# Altium PCB IPG.PcbDoc (part 2 of 10) (continued)
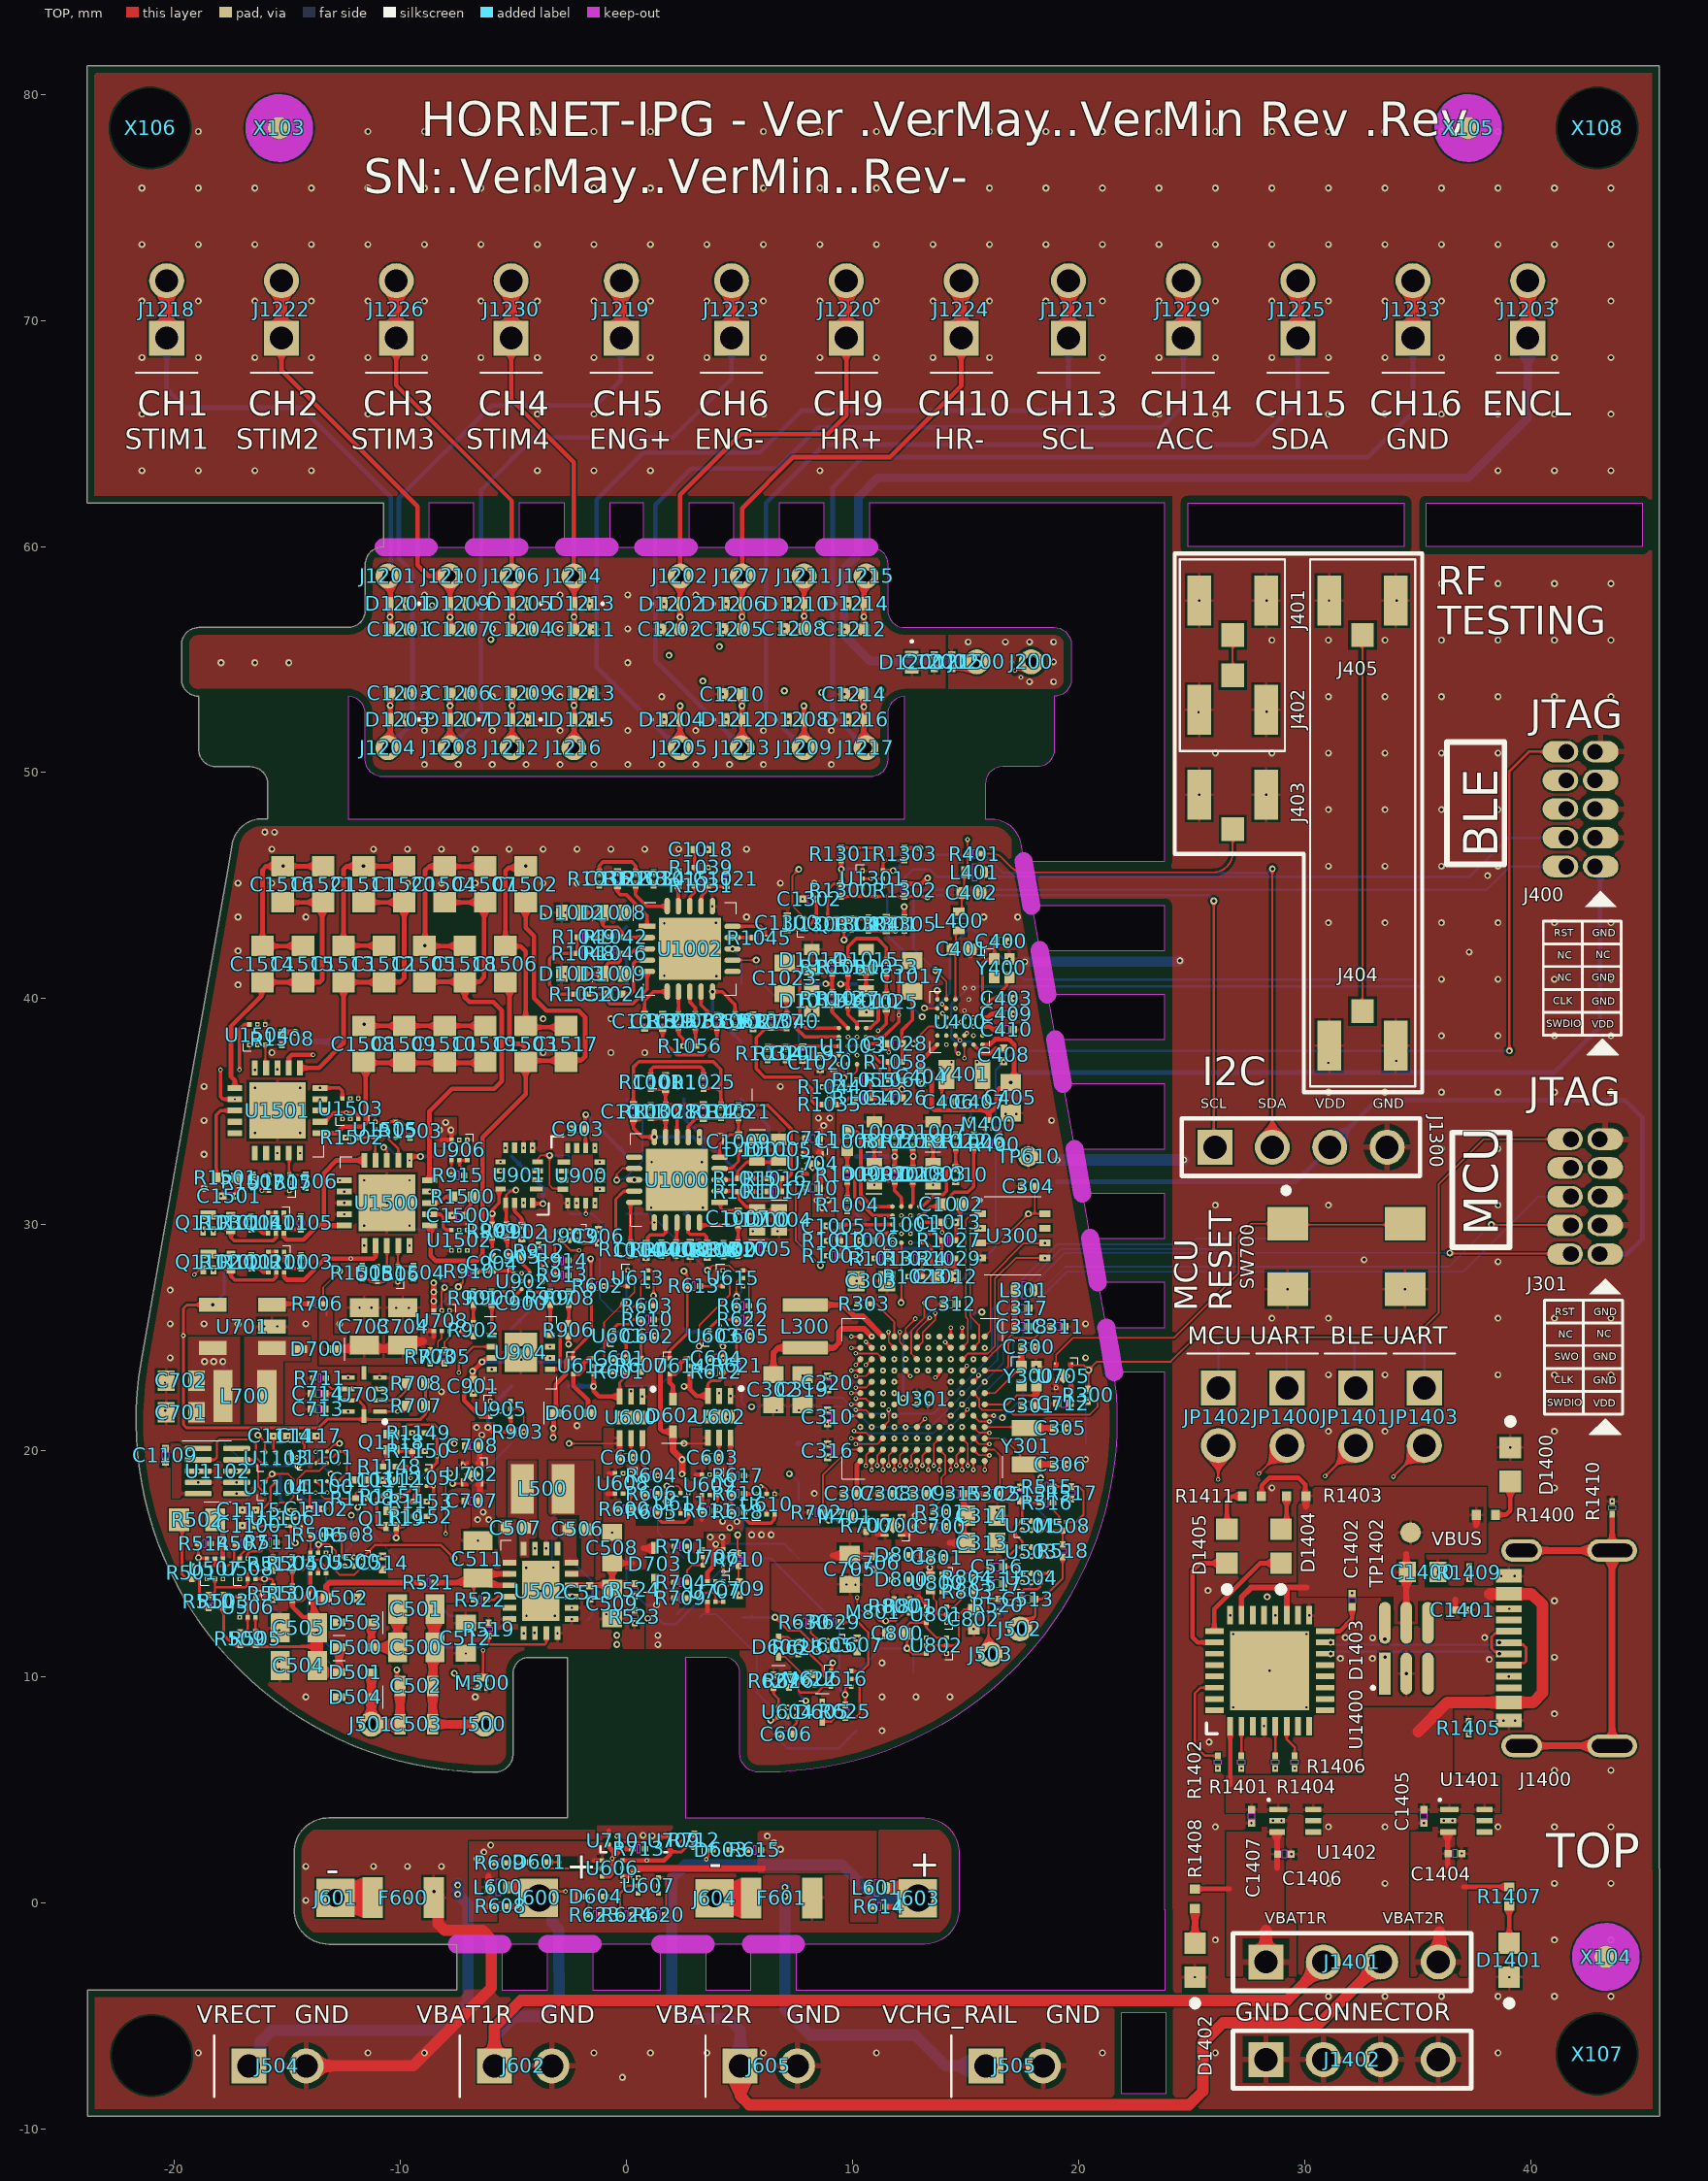
[diagram p0: TOP view]
## Components (designator, comment, footprint, x,y, rotation, side; value= is the part's Value field where it differs from the comment) (continued)
R1034 "CRCW020110M0FNED" R0201_C#1 1.2,45.3 r270 top value=10M
R1035 "CRCW02016M80FNED" R0201_C#1 8.978,35.319 r0 top value=6M8
R1036 "CRCW02011M40FNED" R0201_C#1 -1.2,45.3 r90 top value=1.4M
R1037 "CRCW02011M00FNED" R0201_C#1 6.4,39 r270 top value=1M
R1038 "CRCW020110M0FNED" R0201_C#1 0.4,45.3 r90 top value=10M
R1039 "CRCW020110M0FNED" R0201_C#1 3.3,45.8 r180 top value=10M
R1040 "CRCW02016M80FNED" R0201_C#1 7.087,38.989 r270 top value=6M8
R1041 "CRCW020110M0FNED" R0201_C#1 7.027,37.575 r270 top value=10M
R1042 "CRCW0201180KFNED" R0201_C#1 -0.48,42.723 r0 top value=180k
R1043 "CRCW0201180KFNED" R0201_C#1 9.1,40 r270 top value=180k
R1044 "CRCW02010000Z0ED" R0201_C#1 8.978,36.1 r180 top value=0R
R1045 "CRCW02010000Z0ED" R0201_C#1 5.876,42.7 r0 top value=0R
R1046 "CRCW0201180KFNED" R0201_C#1 -0.5,42 r0 top value=180k
R1047 "CRCW0201180KFNED" R0201_C#1 9.8,40 r270 top value=180k
R1048 "CRCW020110M0FNED" R0201_C#1 -1.9,42 r180 top value=10M
R1049 "CRCW020110M0FNED" R0201_C#1 -1.88,42.723 r180 top value=10M
R1050 "CRCW020110M0FNED" R0201_C#1 9.8,41.4 r90 top value=10M
R1051 "CRCW020110M0FNED" R0201_C#1 9.1,41.4 r90 top value=10M
R1052 "CRCW0201360KFNED" R0201_C#1 -2,40.2 r0 top value=360k
R1053 "CRCW0201360KFNED" R0201_C#1 11.5,41.4 r270 top value=360k
R1054 "RC0201FR-071M8L" R0201_C#1 10.5,35.6 r0 top value=1.8M
R1055 "RC0201FR-071M8L" R0201_C#1 10.5,36.4 r180 top value=1.8M
R1056 "CRCW02011M00FNED" R0201_C#1 2.8,37.9 r180 top value=1M
R1057 "CRCW0201150KFNED" R0201_C#1 2.3,39.014 r90 top value=150k
R1058 "CRCW02011M00FNED" R0201_C#1 11.9,37.2 r180 top value=1M
R1059 "CRCW0201100KFNED" R0201_C#1 4,39 r90 top value=100k
R1060 "CRCW0201249KFNED" R0201_C#1 11.9,36.4 r0 top value=249k
R1061 "CRCW0201910KFNED" R0201_C#1 4.8,39.02 r270 top value=910k
R1100 "RES_DNP_0201" R0201_C#2 -17.499,28.352 r270 top value=DNP
R1101 "RES_DNP_0201" R0201_C#2 -17.508,30.076 r270 top value=DNP
R1102 "CRCW02011K00FNED" R0201_C#1 -16.599,28.352 r270 top value=1k
R1103 "CRCW0201150RFNED" R0201_C#1 -14.399,28.352 r90 top value=150R
R1104 "CRCW02011K00FNED" R0201_C#1 -16.608,30.076 r270 top value=1k
R1105 "CRCW0201150RFNED" R0201_C#1 -14.408,30.076 r90 top value=150R
R1108 "CRCW020110K0FNED" R0201_C#1 -11.7,17.9 r180 top value=10k
R1148 "CRCW0201100RFNED" R0201_C#1 -10.49,19.304 r180 top value=100R
R1149 "CRCW02011M00FNED" R0201_C#1 -9.202,20.789 r180 top value=1M
R1150 "CRCW02012K80FNED" R0201_C#1 -9.202,19.989 r180 top value=2k8
R1151 "CRCW0201100RFNED" R0201_C#1 -10.414,18.009 r180 top value=100R
R1152 "CRCW02011M00FNED" R0201_C#1 -9.119,17.094 r180 top value=1M
R1153 "CRCW02012K80FNED" R0201_C#1 -9.119,17.755 r180 top value=2k8
R1300 "CRCW020110K0FNED" R0201_C#1 9.5,44.8 r270 top value=10k
R1301 "CRCW020110K0FNED" R0201_C#1 9.5,46.4 r90 top value=10k
R1302 "CRCW02016K80FNED" R0201_C#1 12.3,44.8 r90 top value=6k8
R1303 "CRCW02016K80FNED" R0201_C#1 12.3,46.4 r90 top value=6k8
R1304 "CRCW02016K80FNED" R0201_C#1 10.7,43.3 r270 top value=6k8
R1305 "CRCW02010000Z0ED" R0201_C#1 12.3,43.3 r90 top value=0R
R1400 "CRCW0402200RFKEDHP" RES0402_REDUCED 38.024,17.17 r0 top value=200R
R1401 "CRCW02011K00FNED" R0201_C#1 27.203,6.227 r90 top value=1k
R1402 "CRCW02011K00FNED" R0201_C#1 26.162,6.227 r90 top value=1k
R1403 "CRCW0402200RFKEDHP" RES0402_REDUCED 29.635,17.988 r0 top value=200R
R1404 "CRCW02011K00FNED" R0201_C#1 28.702,6.227 r90 top value=1k
R1405 "CRCW02015K11FNED" R0201_C#1 37.262,7.747 r90 top value=5k11
R1406 "CRCW02011K00FNED" R0201_C#1 29.566,6.227 r90 top value=1k
R1407 "CRCW0402200RFKEDHP" RES0402_REDUCED 39.056,0.279 r270 top value=200R
R1408 "CRCW0402200RFKEDHP" RES0402_REDUCED 25.156,0.178 r270 top value=200R
R1409 "CRCW02015K11FNED" R0201_C#1 37.287,14.605 r270 top value=5k11
R1410 "CRCW02011M00FNED" R0201_C#1 43.612,17.475 r90 top value=1M
R1411 "CRCW0402200RFKEDHP" RES0402_REDUCED 27.667,17.988 r0 top value=200R
R1500 "CRCW0402499RFKEDHP" RES0402_REDUCED -7.24,31.242 r0 top value=499R
R1501 "CRCW0402499RFKEDHP" RES0402_REDUCED -17.729,32.08 r0 top value=499R
R1502 "CRCW02011M00FNED" R0201_C#1 -12.141,33.858 r0 top value=1M
R1503 "CRCW02011M00FNED" R0201_C#1 -9.576,34.138 r90 top value=1M
R1504 "CRCW02011M00FNED" R0201_C#1 -9.431,27.884 r90 top value=1M
R1505 "CRCW02011M00FNED" R0201_C#1 -11.691,27.884 r270 top value=1M
R1506 "CRCW02011M00FNED" R0201_C#1 -14.199,31.922 r90 top value=1M
R1507 "CRCW02011M00FNED" R0201_C#1 -16.533,31.922 r270 top value=1M
R1508 "CRCW02011M00FNED" R0201_C#1 -15.24,38.23 r270 top value=1M
SW700 "PTS647SN50SMTR2LFS" CK_PTS647 31.852,28.594 r270 top
TP300 "Test Point" testpad_0.9mm 5.08,22.86 r90 bottom value="Test point"
TP301 "Test Point" testpad_0.9mm 10.16,20.32 r90 bottom value="Test point"
TP302 "Test Point" testpad_0.9mm 7.62,22.86 r270 bottom value="Test point"
TP303 "Test Point" testpad_0.9mm 10.16,22.86 r270 bottom value="Test point"
TP304 "Test Point" testpad_0.9mm 17.78,30.48 r270 bottom value="Test point"
TP305 "Test Point" testpad_0.9mm 15.24,20.32 r90 bottom value="Test point"
TP400 "Test Point" testpad_0.9mm 12.7,45.72 r90 bottom value="Test point"
TP401 "Test Point" testpad_0.9mm 17.78,35.56 r270 bottom value="Test point"
TP402 "Test Point" testpad_0.9mm 12.7,43.18 r90 bottom value="Test point"
TP403 "Test Point" testpad_0.9mm 12.7,25.4 r270 bottom value="Test point"
TP404 "Test Point" testpad_0.9mm 12.7,40.64 r270 bottom value="Test point"
TP405 "Test Point" testpad_0.9mm 12.7,38.1 r270 bottom value="Test point"
TP406 "Test Point" testpad_0.9mm 15.24,35.56 r90 bottom value="Test point"
TP500 "Test Point" testpad_0.9mm -7.62,12.7 r270 bottom value="Test point"
TP501 "Test Point" testpad_0.9mm -10.16,12.7 r270 bottom value="Test point"
TP502 "Test Point" testpad_0.9mm -5.08,12.7 r270 bottom value="Test point"
TP503 "Test Point" testpad_0.9mm -12.7,10.16 r270 bottom value="Test point"
TP504 "Test Point" testpad_0.9mm -7.62,15.24 r270 bottom value="Test point"
TP505 "Test Point" testpad_0.9mm -15.24,12.7 r270 bottom value="Test point"
TP506 "Test Point" testpad_0.9mm -17.78,15.24 r270 bottom value="Test point"
TP507 "Test Point" testpad_0.9mm -10.16,10.16 r270 bottom value="Test point"
TP508 "Test Point" testpad_0.9mm 17.78,20.32 r270 bottom value="Test point"
TP509 "Test Point" testpad_0.9mm 17.78,17.78 r270 bottom value="Test point"
TP510 "Test Point" testpad_0.9mm 2.54,25.4 r270 bottom value="Test point"
TP511 "Test Point" testpad_0.9mm 17.78,15.24 r270 bottom value="Test point"
TP512 "Test Point" testpad_0.9mm 15.24,12.7 r270 bottom value="Test point"
TP513 "Test Point" testpad_0.9mm -12.7,12.7 r90 bottom value="Test point"
TP514 "Test Point" testpad_0.9mm -2.54,17.78 r90 bottom value="Test point"
TP515 "Test Point" testpad_0.9mm -7.62,10.16 r90 bottom value="Test point"
TP600 "Test Point" testpad_0.9mm -2.54,20.32 r270 bottom value="Test point"
TP601 "Test Point" testpad_0.9mm -2.54,22.86 r270 bottom value="Test point"
TP602 "Test Point" testpad_0.9mm -5.08,30.48 r90 bottom value="Test point"
TP603 "Test Point" testpad_0.9mm -2.54,12.7 r270 bottom value="Test point"
TP604 "Test Point" testpad_0.9mm -2.54,27.94 r270 bottom value="Test point"
TP605 "Test Point" testpad_0.9mm 5.08,15.24 r270 bottom value="Test point"
TP606 "Test Point" testpad_0.9mm -2.54,30.48 r270 bottom value="Test point"
TP607 "Test Point" testpad_0.9mm 0,27.94 r270 bottom value="Test point"
TP608 "Test Point" testpad_0.9mm -2.533,15.233 r270 bottom value="Test point"
TP609 "Test Point" testpad_0.9mm -12.7,30.48 r270 bottom value="Test point"
TP610 "Test Point" testpad_0.9mm 17.78,33.02 r270 top value="Test point"
TP611 "Test Point" testpad_0.9mm 5.08,45.72 r270 bottom value="Test point"
TP612 "Test Point" testpad_0.9mm 5.08,20.32 r270 bottom value="Test point"
TP613 "Test Point" testpad_0.9mm -5.08,43.18 r270 bottom value="Test point"
TP614 "Test Point" testpad_0.9mm 17.78,33.02 r270 bottom value="Test point"
TP615 "Test Point" testpad_0.9mm 5.08,30.48 r270 bottom value="Test point"
TP616 "Test Point" testpad_0.9mm -5.08,15.24 r270 bottom value="Test point"
TP617 "Test Point" testpad_0.9mm 15.24,17.78 r270 bottom value="Test point"
TP618 "Test Point" testpad_0.9mm 2.54,20.32 r270 bottom value="Test point"
TP619 "Test Point" testpad_0.9mm 2.54,22.86 r270 bottom value="Test point"
TP620 "Test Point" testpad_0.9mm 0,12.7 r270 bottom value="Test point"
TP621 "Test Point" testpad_0.9mm 2.54,27.94 r270 bottom value="Test point"
TP622 "Test Point" testpad_0.9mm 7.62,12.7 r270 bottom value="Test point"
TP623 "Test Point" testpad_0.9mm 5.08,27.94 r90 bottom value="Test point"
TP624 "Test Point" testpad_0.9mm 7.62,7.62 r270 bottom value="Test point"
TP625 "Test Point" testpad_0.9mm 10.16,12.7 r270 bottom value="Test point"
TP626 "Test Point" testpad_0.9mm 0,30.48 r270 bottom value="Test point"
TP627 "Test Point" testpad_0.9mm 0,22.86 r270 bottom value="Test point"
TP628 "Test Point" testpad_0.9mm 7.62,15.24 r90 bottom value="Test point"
TP629 "Test Point" testpad_0.9mm 2.54,15.24 r90 bottom value="Test point"
TP630 "Test Point" testpad_0.9mm 2.54,17.78 r90 bottom value="Test point"
TP631 "Test Point" testpad_0.9mm 7.62,17.78 r270 bottom value="Test point"
TP632 "Test Point" testpad_0.9mm 10.16,10.16 r270 bottom value="Test point"
TP633 "Test Point" testpad_0.9mm 10.16,7.62 r270 bottom value="Test point"
TP634 "Test Point" testpad_0.9mm 5.08,12.7 r270 bottom value="Test point"
TP635 "Test Point" testpad_0.9mm 7.62,10.16 r90 bottom value="Test point"
TP700 "Test Point" testpad_0.9mm 12.7,17.78 r270 bottom value="Test point"
TP701 "Test Point" testpad_0.9mm 10.16,17.78 r270 bottom value="Test point"
TP702 "Test Point" testpad_0.9mm 0,15.24 r270 bottom value="Test point"
TP703 "Test Point" testpad_0.9mm -17.78,22.86 r270 bottom value="Test point"
TP704 "Test Point" testpad_0.9mm -12.7,27.94 r270 bottom value="Test point"
TP705 "Test Point" testpad_0.9mm -12.7,38.1 r270 bottom value="Test point"
TP706 "Test Point" testpad_0.9mm 7.62,20.32 r270 bottom value="Test point"
TP707 "Test Point" testpad_0.9mm -10.16,27.94 r270 bottom value="Test point"
TP708 "Test Point" testpad_0.9mm -17.795,27.955 r270 bottom value="Test point"
TP709 "Test Point" testpad_0.9mm -5.08,22.86 r270 bottom value="Test point"
TP710 "Test Point" testpad_0.9mm 5.08,17.78 r270 bottom value="Test point"
TP711 "Test Point" testpad_0.9mm 5.08,33.02 r270 bottom value="Test point"
TP712 "Test Point" testpad_0.9mm 20.32,20.32 r270 bottom value="Test point"
TP713 "Test Point" testpad_0.9mm -5.095,20.32 r90 bottom value="Test point"
TP714 "Test Point" testpad_0.9mm 7.62,30.48 r90 bottom value="Test point"
TP800 "Test Point" testpad_0.9mm 10.16,15.24 r270 bottom value="Test point"
TP801 "Test Point" testpad_0.9mm 12.7,10.16 r270 bottom value="Test point"
TP802 "Test Point" testpad_0.9mm 15.24,25.4 r270 bottom value="Test point"
TP803 "Test Point" testpad_0.9mm 15.24,15.24 r270 bottom value="Test point"
TP900 "Test Point" testpad_0.9mm -7.62,25.4 r270 bottom value="Test point"
TP901 "Test Point" testpad_0.9mm 0,25.4 r270 bottom value="Test point"
TP902 "Test Point" testpad_0.9mm -5.08,27.94 r90 bottom value="Test point"
TP903 "Test Point" testpad_0.9mm -2.54,25.4 r270 bottom value="Test point"
TP904 "Test Point" testpad_0.9mm -10.16,25.4 r90 bottom value="Test point"
TP905 "Test Point" testpad_0.9mm 0,33.02 r90 bottom value="Test point"
TP906 "Test Point" testpad_0.9mm -2.54,33.02 r90 bottom value="Test point"
TP907 "Test Point" testpad_0.9mm -7.62,27.94 r90 bottom value="Test point"
TP908 "Test Point" testpad_0.9mm -10.16,30.48 r90 bottom value="Test point"
TP909 "Test Point" testpad_0.9mm -7.62,30.48 r90 bottom value="Test point"
TP910 "Test Point" testpad_0.9mm -5.08,25.4 r90 bottom value="Test point"
TP1000 "Test Point" testpad_0.9mm 2.54,33.02 r90 bottom value="Test point"
TP1001 "Test Point" testpad_0.9mm 12.7,27.94 r90 bottom value="Test point"
TP1003 "Test Point" testpad_0.9mm 5.08,40.64 r90 bottom value="Test point"
TP1004 "Test Point" testpad_0.9mm 10.16,38.1 r90 bottom value="Test point"
TP1005 "Test Point" testpad_0.9mm 12.7,30.48 r90 bottom value="Test point"
TP1006 "Test Point" testpad_0.9mm 0,35.56 r90 bottom value="Test point"
TP1007 "Test Point" testpad_0.9mm 7.62,38.1 r90 bottom value="Test point"
TP1008 "Test Point" testpad_0.9mm 7.62,35.56 r90 bottom value="Test point"
TP1009 "Test Point" testpad_0.9mm 15.24,30.48 r90 bottom value="Test point"
TP1010 "Test Point" testpad_0.9mm 10.16,30.48 r90 bottom value="Test point"
TP1011 "Test Point" testpad_0.9mm 2.54,30.48 r90 bottom value="Test point"
TP1012 "Test Point" testpad_0.9mm 10.16,35.56 r90 bottom value="Test point"
TP1013 "Test Point" testpad_0.9mm 5.08,38.1 r90 bottom value="Test point"
TP1014 "Test Point" testpad_0.9mm 5.08,35.56 r90 bottom value="Test point"
TP1015 "Test Point" testpad_0.9mm 2.54,35.56 r90 bottom value="Test point"
TP1016 "Test Point" testpad_0.9mm 10.16,33.02 r90 bottom value="Test point"
TP1017 "Test Point" testpad_0.9mm 12.685,33.02 r90 bottom value="Test point"
TP1018 "Test Point" testpad_0.9mm 0,43.18 r90 bottom value="Test point"
TP1019 "Test Point" testpad_0.9mm 7.62,40.64 r90 bottom value="Test point"
TP1020 "Test Point" testpad_0.9mm 0,40.64 r90 bottom value="Test point"
TP1021 "Test Point" testpad_0.9mm 10.16,40.64 r90 bottom value="Test point"
TP1100 "Test Point" testpad_0.9mm -15.24,20.32 r270 bottom value="Test point"
TP1101 "Test Point" testpad_0.9mm -17.78,17.78 r270 bottom value="Test point"
TP1104 "Test Point" testpad_0.9mm -15.24,17.78 r90 bottom value="Test point"
TP1105 "Test Point" testpad_0.9mm -7.62,20.32 r90 bottom value="Test point"
TP1107 "Test Point" testpad_0.9mm -12.7,17.78 r90 bottom value="Test point"
TP1108 "Test Point" testpad_0.9mm -10.16,17.78 r90 bottom value="Test point"
TP1109 "Test Point" testpad_0.9mm -10.16,20.32 r90 bottom value="Test point"
TP1110 "Test Point" testpad_0.9mm -12.7,15.24 r90 bottom value="Test point"
TP1111 "Test Point" testpad_0.9mm -17.78,20.32 r90 bottom value="Test point"
TP1112 "Test Point" testpad_0.9mm -10.16,15.24 r90 bottom value="Test point"
TP1113 "Test Point" testpad_0.9mm -12.7,20.32 r90 bottom value="Test point"
TP1114 "Test Point" testpad_0.9mm -12.7,22.86 r90 bottom value="Test point"
TP1115 "Test Point" testpad_0.9mm -15.24,15.24 r90 bottom value="Test point"
TP1300 "Test Point" testpad_0.9mm 7.62,45.72 r90 bottom value="Test point"
TP1301 "Test Point" testpad_0.9mm 10.16,43.18 r90 bottom value="Test point"
TP1302 "Test Point" testpad_0.9mm 10.16,45.72 r90 bottom value="Test point"
TP1402 "Test Point" testpad_0.9mm 34.696,16.383 r90 top value="Test point"
TP1405 "Test Point" testpad_0.9mm 15.24,38.1 r90 bottom value="Test point"
TP1406 "Test Point" testpad_0.9mm 15.225,43.18 r90 bottom value="Test point"
TP1500 "Test Point" testpad_0.9mm -5.08,33.02 r90 bottom value="Test point"
TP1501 "Test Point" testpad_0.9mm -7.62,33.02 r90 bottom value="Test point"
TP1502 "Test Point" testpad_0.9mm -10.16,33.02 r90 bottom value="Test point"
U300 "CY15B108QN-20LPXC" CY_002-18131_GQFN8 17.087,29.512 r0 top
U301 "STM32U585QII6Q" STM_UFBGA132 13.1,22.3 r180 top locked
U400 "NRF52810-CAAA-E-R7" NORDIC_WLCSP_2.482x2.464 14.753,38.968 r270 top
U500 "AD8505ACBZ-R7" AD8505ACBZ-R7 -12.065,15.091 r0 top
U501 "AD8505ACBZ-R7" AD8505ACBZ-R7 17.908,16.688 r180 top
U502 "LTC3130IUDC-1#PBF" LT_UDC-20_REDUCED -3.8,13.8 r0 top
U503 "AD8505ACBZ-R7" AD8505ACBZ-R7 17.917,15.532 r180 top
U504 "AD8505ACBZ-R7" AD8505ACBZ-R7 17.91,14.373 r180 top
U505 "DMC31D5UDJ-7" DIODESINC_SOT-963-6 -13.64,15.037 r270 top
U506 "DMN31D5UDJ-7" DIODESINC_SOT-963-6 -16.767,13.088 r270 top
U507 "DMC31D5UDJ-7" DIODESINC_SOT-963-6 -18.212,14.783 r90 top
U508 "DMN31D5UDJ-7" DIODESINC_SOT-963-6 -16.764,14.783 r90 top
U600 "LTC4065LEDC#TRPBF" LT_DC6 0.2,21.475 r270 top value=LTC4065LEDC#TRMPBF
U601 "TLV4021R1YKAR" TI_YKA0004 -0.377,25.087 r90 top
U602 "LTC4065LEDC#TRPBF" LT_DC6 4.1,21.5 r270 top value=LTC4065LEDC#TRMPBF
U603 "TLV4021R1YKAR" TI_YKA0004 3.856,25.087 r90 top
U604 "AD8505ACBZ-R7" AD8505ACBZ-R7 7.13,8.445 r0 top
U605 "AD8505ACBZ-R7" AD8505ACBZ-R7 8.915,11.382 r0 top
U606 "DMP22D5UDJ-7" DIODESINC_SOT-963-6 -0.635,1.524 r180 top
U607 "DMN31D5UDJ-7" DIODESINC_SOT-963-6 0.965,0.762 r0 top
U608 "DMC31D5UDJ-7" DIODESINC_SOT-963-6 -0.153,18.55 r270 top
U609 "DMC31D5UDJ-7" DIODESINC_SOT-963-6 3.683,18.491 r270 top
U610 "DMN31D5UDJ-7" DIODESINC_SOT-963-6 6.201,17.642 r90 top
U611 "DMN31D5UDJ-7" DIODESINC_SOT-963-6 2.388,17.678 r90 top
U612 "DMP22D5UDJ-7" DIODESINC_SOT-963-6 -1.905,23.749 r0 top
U613 "DMN31D5UDJ-7" DIODESINC_SOT-963-6 0.508,27.635 r0 top
U614 "DMP22D5UDJ-7" DIODESINC_SOT-963-6 2.362,23.749 r0 top
U615 "DMN31D5UDJ-7" DIODESINC_SOT-963-6 4.713,27.634 r0 top
U616 "DMP22D5UDJ-7" DIODESINC_SOT-963-6 9.5,9.912 r0 top
U700 "AP7354D-33FS4-7" "X2-DFN1010-4 (Type B)" 11.8,16.7 r90 top
U701 "LT1615ES5-1#TRPBF" LT_S5_L -17,25.5 r180 top
U702 "AP7354D-33FS4-7" "X2-DFN1010-4 (Type B)" -6.833,18.974 r180 top
U703 "ISL23315TFRUZ-T7A" RENESAS_L10.2.1X1.6A_UTQFN10 -11.616,22.484 r180 top
U704 "AP7354D-33FS4-7" "X2-DFN1010-4 (Type B)" 8.23,32.713 r180 top
U705 "TPS3831L30DQNR" TI_X2SON_DQN0004A 19.334,23.296 r270 top
U706 "DMC31D5UDJ-7" DIODESINC_SOT-963-6 3.833,15.291 r180 top
U707 "DMC31D5UDJ-7" DIODESINC_SOT-963-6 3.933,13.767 r270 top
U708 "DMC31D5UDJ-7" DIODESINC_SOT-963-6 -8.179,25.756 r270 top
U709 "MAX40200ANS+T" BGA4N35P2X2_72X72X50N 2.083,2.766 r90 top
U710 "MAX40200ANS+T" BGA4N35P2X2_72X72X50N -0.607,2.766 r90 top
U800 "ADL021-14E" NVE_ULLGA4 13.746,14.153 r270 top
U801 "DMP22D5UDJ-7" DIODESINC_SOT-963-6 13.716,12.751 r180 top
U802 "DMN31D5UDJ-7" DIODESINC_SOT-963-6 13.716,11.379 r180 top
U900 "DG4052EEN-T1-GE4" QFN40P180X260X60-16N-D -2.001,32.172 r0 top
U901 "DG4053EEN-T1-GE4" QFN40P180X260X60-16N-D -4.753,32.181 r180 top
U902 "TLV9002SIYCKR" TI_YCK0009 -4.638,27.497 r0 top
U903 "AD8505ACBZ-R7" AD8505ACBZ-R7 -2.515,29.512 r0 top
U904 "AD8137YCPZ-REEL7" AD_CP-8-13 -4.674,24.352 r0 top
U905 "DMC31D5UDJ-7" DIODESINC_SOT-963-6 -5.581,21.85 r0 top
U906 "DMC31D5UDJ-7" DIODESINC_SOT-963-6 -7.395,33.299 r270 top
U1000 "AD8232ACPZ-R7" FP-CP-20-8-IPC_C 2.232,31.987 r180 top
U1001 "AD8233ACBZ-R7" AD8233ACBZ-R7 12.367,30.004 r0 top
U1002 "AD8232ACPZ-R7" FP-CP-20-8-IPC_C 2.8,42.2 r0 top
U1003 "AD8233ACBZ-R7" AD8233ACBZ-R7 10,37.9 r0 top
U1100 "SN74LVC1G123YZPR" TI_YZP0008 -13.5,18.4 r90 top
U1101 "SN74LVC2G08YZPR" TI_YZP0008 -13.5,19.706 r90 top
U1102 "DAC80502DRXT" TI_DRX0010A -18.1,19.1 r0 top
U1103 "TS5A3159AYZPR" TI_YZP6 -15.5,19.681 r90 top
U1104 "TS5A3159AYZPR" TI_YZP6 -15.5,18.375 r90 top
U1105 "TLV9002SIYCKR" TI_YCK0009 -9.202,18.789 r270 top
U1106 "74LVC1G32GS,132" 74LVC1G3157GS132 -15.209,17.018 r90 top
U1300 "TS5A3159AYZPR" TI_YZP6 8.4,43.3 r90 top
U1301 "DMN31D5UDJ-7" DIODESINC_SOT-963-6 10.897,45.314 r0 top
U1400 "CY7C65215-32LTXI" PG-VQFN-32-803 28.461,10.27 r90 top
U1401 "TLV70237DSET" SON127P600-8N 37.16,3.632 r0 top
U1402 "TLV70237DSET" SON127P600-8N 29.591,3.632 r0 top
U1500 "ADG1634BCPZ-REEL7" AD_CP-20-10 -10.592,30.963 r270 top
U1501 "ADG1634BCPZ-REEL7" AD_CP-20-10 -15.452,35.052 r90 top
U1502 "DMN31D5UDJ-7" DIODESINC_SOT-963-6 -7.395,29.312 r270 top
U1503 "DMN31D5UDJ-7" DIODESINC_SOT-963-6 -12.217,35.128 r90 top
U1504 "DMN31D5UDJ-7" DIODESINC_SOT-963-6 -16.332,38.405 r90 top
U1505 "DMN31D5UDJ-7" DIODESINC_SOT-963-6 -10.668,34.208 r0 top
U1506 "DMN31D5UDJ-7" DIODESINC_SOT-963-6 -10.566,27.813 r180 top
U1507 "DMN31D5UDJ-7" DIODESINC_SOT-963-6 -15.367,31.852 r180 top
X100 "FIDUCIAL" Fid_IPC-7351B -15.366,78.513 r180 bottom
X101 "FIDUCIAL" Fid_IPC-7351B 43.332,-2.388 r180 bottom
X102 "FIDUCIAL" Fid_IPC-7351B 37.236,78.513 r180 bottom
X103 "FIDUCIAL" Fid_IPC-7351B -15.366,78.513 r0 top
X104 "FIDUCIAL" Fid_IPC-7351B 43.332,-2.388 r0 top
X105 "FIDUCIAL" Fid_IPC-7351B 37.236,78.513 r0 top
X106 "HOLE, UNPLATED" HOLE_UNPLATED_3.5MM -21.083,78.513 r0 top
X107 "HOLE, UNPLATED" HOLE_UNPLATED_3.5MM 42.953,-6.681 r0 top
X108 "HOLE, UNPLATED" HOLE_UNPLATED_3.5MM 42.953,78.513 r0 top
Y300 "ECS-480-10-48-CKY-TR" XTAL_ECS-SMD-CRYSTAL-10-48-CKY-TR 17.8,23.3 r270 top value="48 MHz"
Y301 "CM8V-T1A-32.768KHZ-6PF-20PPM-TA-QC" MICROCRYSTAL_CC8V-T1A 17.7,20.2 r90 top value=32.768kHz
Y400 "ECS-320-10-48-CKY-TR" XTAL_ECS-SMD-CRYSTAL-10-48-CKY-TR 16.612,41.351 r270 top value="32 MHz"
Y401 "CM8V-T1A-32.768KHZ-6PF-20PPM-TA-QC" MICROCRYSTAL_CC8V-T1A 14.952,36.648 r180 top value=32.768kHz

## Footprints (in the part's own frame and the unit in brackets; to place one, negate y for a bottom-side part, rotate by r counter-clockwise, add the part's x,y. Pads: shape width x height; smd on the part's side, far side on the other; paste and mask are expansions set on the pad)
74LVC1G3157GS132 [mm]
  rect 0.15x0.5 smd paste+0 mask+0.05: 1(-0.35,-0.35) 2(0,-0.35) 3(0.35,-0.35) 4(0.35,0.35) 5(0,0.35) 6(-0.35,0.35)
  silkscreen extent -0.71,-0.84 -0.36,-0.49, body extent -0.48,-0.53 0.48,0.53, height 0.36
217179-0001 [mm]
  rrect100% 1x1.8 hole 0.6 slot 1.4 at 90 deg paste-2539.97 mask+0: 1(-4.318,2.694) 2(4.322,2.694)
  rrect100% 1x2.2 hole 0.6 slot 1.8 at 90 deg paste-2539.97 mask+0: 3(-4.318,-1.306) 4(4.322,-1.306)
  rect 0.6x1.15 smd mask+0.051: A1(-3.2,3.269) A4(-2.4,3.269) A9(2.4,3.269) A12(3.2,3.269)
  rect 0.3x1.15 smd mask+0.051: A5(-1.25,3.269) A6(-0.25,3.269) A7(0.25,3.269) A8(1.25,3.269) B5(1.75,3.269) B6(0.75,3.269) B7(-0.75,3.269) B8(-1.75,3.269)
  body extent -4.47,-3.35 4.47,3.4, height 3.24
AD8233ACBZ-R7 [mil] "IC ECG FRONT END 20WLCSP"
  round 8 smd mask+2: A1(-23.62,-31.5) A2(-23.62,-15.75) A3(-23.62,0) A4(-23.62,15.75) A5(-23.62,31.5) B1(-7.87,-31.5) B2(-7.87,-15.75) B3(-7.87,0) B4(-7.87,15.75) B5(-7.87,31.5) C1(7.87,-31.5) C2(7.87,-15.75) C3(7.87,0) C4(7.87,15.75) C5(7.87,31.5) D1(23.62,-31.5) D2(23.62,-15.75) D3(23.62,0) D4(23.62,15.75) D5(23.62,31.5)
  silkscreen extent -37,-44 -27,-33, body extent -34,-40 34,40, height 22
AD8505ACBZ-R7 [mm] "AD8505ACBZ-6-Ball Wafer Level Chip Scale Package"
  round 0.26 smd mask+0.025: A1(0.4,0.2) A2(0.4,-0.2) B1(0,0.2) B2(0,-0.2) C1(-0.4,0.2) C2(-0.4,-0.2)
  silkscreen extent 0.5,0.26 0.74,0.51, body extent -0.69,-0.46 0.69,0.46, height 0.64
AD_CP-8-13 [mm] "PSON, 8-Leads, Body 3.00x3.00mm, Pitch 0.50mm, Thermal Pad 1.74x1.45mm, IPC High Density"
  rect 0.45x0.25 smd mask+0.051: 1(-1.285,0.75) 2(-1.285,0.25) 3(-1.285,-0.25) 4(-1.285,-0.75) 5(1.285,-0.75) 6(1.285,-0.25) 7(1.285,0.25) 8(1.285,0.75)
  rect 1.45x1.74 smd paste-0.725 mask+0.051: 9(0,0)
  silkscreen extent -1.6,-1.6 1.6,1.6, body extent -1.55,-1.55 1.55,1.55, height 0.8
AD_CP-20-10 [mm] "Quad Flat No-Lead (QFN with Tab), 0.50 mm pitch; square, 5 pin X 5 pin, 4.00 mm L X 4.00 mm W X 0.80 mm H body"
  rect 0.26x0.66 smd mask+0.051: 1(-1,-1.893) 2(-0.5,-1.893) 3(0,-1.893) 4(0.5,-1.893) 5(1,-1.893) 11(1,1.877) 12(0.5,1.877) 13(0,1.877) 14(-0.5,1.877) 15(-1,1.877)
  rect 0.66x0.26 smd mask+0.051: 6(1.885,-1.008) 7(1.885,-0.508) 8(1.885,-0.008) 9(1.885,0.492) 10(1.885,0.992) 16(-1.885,0.992) 17(-1.885,0.492) 18(-1.885,-0.008) 19(-1.885,-0.508) 20(-1.885,-1.008)
  rect 2.5x2.5 smd paste+0 mask+0.051: 21(0,-0.008)
  silkscreen extent -2.05,-2.06 -1.55,-1.56, body extent -2.05,-2.06 2.05,2.04, height 0.8
BAS116LSQYL [mm]
  rect 0.5x0.7 smd mask+0.051: 1(-0.45,0) 2(0.45,0)
  silkscreen extent -0.88,-0.34 -0.88,0.36, body extent -0.51,-0.3 0.51,0.3, height 0.38
BGA4N35P2X2_72X72X50N [mm]
  round 0.2 smd mask+0.025: A1(-0.175,0.175) A2(0.175,0.175) B1(-0.175,-0.175) B2(0.175,-0.175)
  silkscreen extent -0.53,0.29 -0.27,0.54, body extent -0.36,-0.36 0.36,0.36, height 0.5
C0201_C [mm] "C0201_C generated by IPC compliant footprint wizard"
  rect 0.32x0.32 smd mask+0.025: 1(-0.3,0) 2(0.3,0)
  TOP keep-out region: -0.113,-0.16 0.115,-0.16 0.115,0.16 -0.113,0.16
  body extent -0.32,-0.17 0.32,0.17, height 0.33
C0603 [mm] "C0603_B generated by IPC compliant footprint wizard"
  rect 0.9x1 smd mask+0.076: 1(-0.8,0) 2(0.8,0)
  body extent -0.9,-0.5 0.9,0.5, height 0.8
CAP0402_REDUCED [mm] "C0402_C generated by IPC compliant footprint wizard"
  rect 0.49x0.52 smd mask+0.051: 1(-0.425,0) 2(0.425,0)
  body extent -0.53,-0.28 0.53,0.28, height 0.6
CAP0603_REDUCED#1 [mm] "C0603_C generated by IPC compliant footprint wizard"
  rect 0.75x0.9 smd mask+0.076: 1(-0.675,0) 2(0.675,0)
  body extent -0.9,-0.5 0.9,0.5, height 0.8
CAP0603_REDUCED#2 [mm] "Chip Capacitor, Body 1.6x0.8mm, Height 1.0mm, IPC High Density"
  rect 0.5x0.9 smd: 1(-0.725,0) 2(0.725,0)
  body extent -0.87,-0.47 0.88,0.48, height 1
CAP0805_REDUCED [mm] "C0805_C generated by IPC compliant footprint wizard"
  rect 0.85x1.3 smd: 1(-0.825,0) 2(0.825,0)
  body extent -1.05,-0.67 1.05,0.67, height 1.35
CK_PTS647 [mm] "PB, 4-Leads, Body 6.5x4.5mm"
  rect 1.5x1.8 smd: 1(-1.45,-2.6) 2(-1.45,2.6) 3(1.45,-2.6) 4(1.45,2.6)
  silkscreen extent -3.05,-2.79 -2.8,-2.54, body extent -2.25,-3.25 2.25,3.25, height 5
CY_002-18131_GQFN8 [mm] "PSON, 8-Leads, Body 3.28x3.23mm, Pitch 0.65mm, IPC High Density"
  rect 0.5x0.3 smd: 1(-1.435,0.975) 2(-1.435,0.325) 3(-1.435,-0.325) 4(-1.435,-0.975) 5(1.435,-0.975) 6(1.435,-0.325) 7(1.435,0.325) 8(1.435,0.975)
  silkscreen extent -1.52,-1.73 1.25,1.73, body extent -1.64,-1.67 1.64,1.67, height 0.55
DIODESINC_SOT-963-6 [mm] "SOTFL, 6-Leads, Body 1.00x1.00mm, Pitch 0.35mm, IPC High Density"
  rect 0.2x0.2 smd mask+0.025: 1(-0.45,0.35) 2(-0.45,0) 3(-0.45,-0.35) 4(0.45,-0.35) 5(0.45,0) 6(0.45,0.35)
  silkscreen extent -0.72,0.28 -0.38,0.63, body extent -0.5,-0.52 0.5,0.52, height 0.5
DIODESINC_X1-DFN1006-3 [mm] "DFN, 3-Leads, Body 0.5x1.01mm, Pitch 0.65mm, IPC High Density"
  rect 0.4x0.25 smd: 1(-0.35,0.225) 2(-0.35,-0.225)
  rect 0.4x0.7 smd: 3(0.35,0)
  body extent -0.54,-0.27 0.54,0.28, height 0.53
DIODESINC_X2-DFN0604-3 [mm] "DFN, 3-Leads, Body 0.40x0.60mm, Pitch 0.48mm, IPC High Density"
  rect 0.18x0.16 smd: 1(-0.205,0.15) 2(-0.205,-0.15)
  rect 0.26x0.27 smd: 3(0.165,0)
  body extent -0.32,-0.23 0.33,0.22, height 0.4
DIODESINC_X2-DFN0606-3 [mm] "DFN, 3-Leads, Body 0.62x0.62mm, Pitch 0.34mm, IPC High Density"
  rect 0.28x0.2 smd paste+0 mask+0.076: 1(-0.24,0.175) 2(-0.24,-0.175)
  rect 0.35x0.54 smd paste-10 mask+0.076: 3(0.205,0)
  body extent -0.34,-0.34 0.34,0.34, height 0.4
FEEDHOLE_20mil [mm] "Feedthrough hole 20mil"
  round 1.1 hole 0.5: 1(0,0)
Fid_IPC-7351B [mm]
  round 1 smd paste-5 mask+1: Fid(0,0)
  TOP keep-out circle w1: c0,0 r1
FP-CP-20-8-IPC_C [mm]
  rect 0.731x0.239 smd paste+0 mask+0: 1(-1.891,1)
  rrect100% 0.731x0.239 smd paste+0 mask+0: 2(-1.891,0.5) 3(-1.891,0) 4(-1.891,-0.5) 5(-1.891,-1) 11(1.891,-1) 12(1.891,-0.5) 13(1.891,0) 14(1.891,0.5) 15(1.891,1)
  rrect100% 0.239x0.731 smd paste+0 mask+0: 6(-1,-1.891) 7(-0.5,-1.891) 8(0,-1.891) 9(0.5,-1.891) 10(1,-1.891) 16(1,1.891) 17(0.5,1.891) 18(0,1.891) 19(-0.5,1.891) 20(-1,1.891)
  rect 2.75x2.75 smd paste-1000 mask+0: 21(0,0)
  silkscreen extent -2.05,-2.05 2.05,2.05, body extent -2,-2 2,2, height 0.8
FP-SOT457-IPC_A [mm]
  rect 1.854x0.516 smd paste+0 mask+0: 1(-1.125,0.95)
  rrect100% 1.854x0.516 smd paste+0 mask+0: 2(-1.125,0) 3(-1.125,-0.95) 4(1.125,-0.95) 5(1.125,0) 6(1.125,0.95)
  silkscreen extent -1.81,1.41 -1.69,1.54, body extent -1.33,-1.45 1.43,1.45, height 1.1